# Altium PCB Controller.PcbDoc (part 1 of 2) (continued)
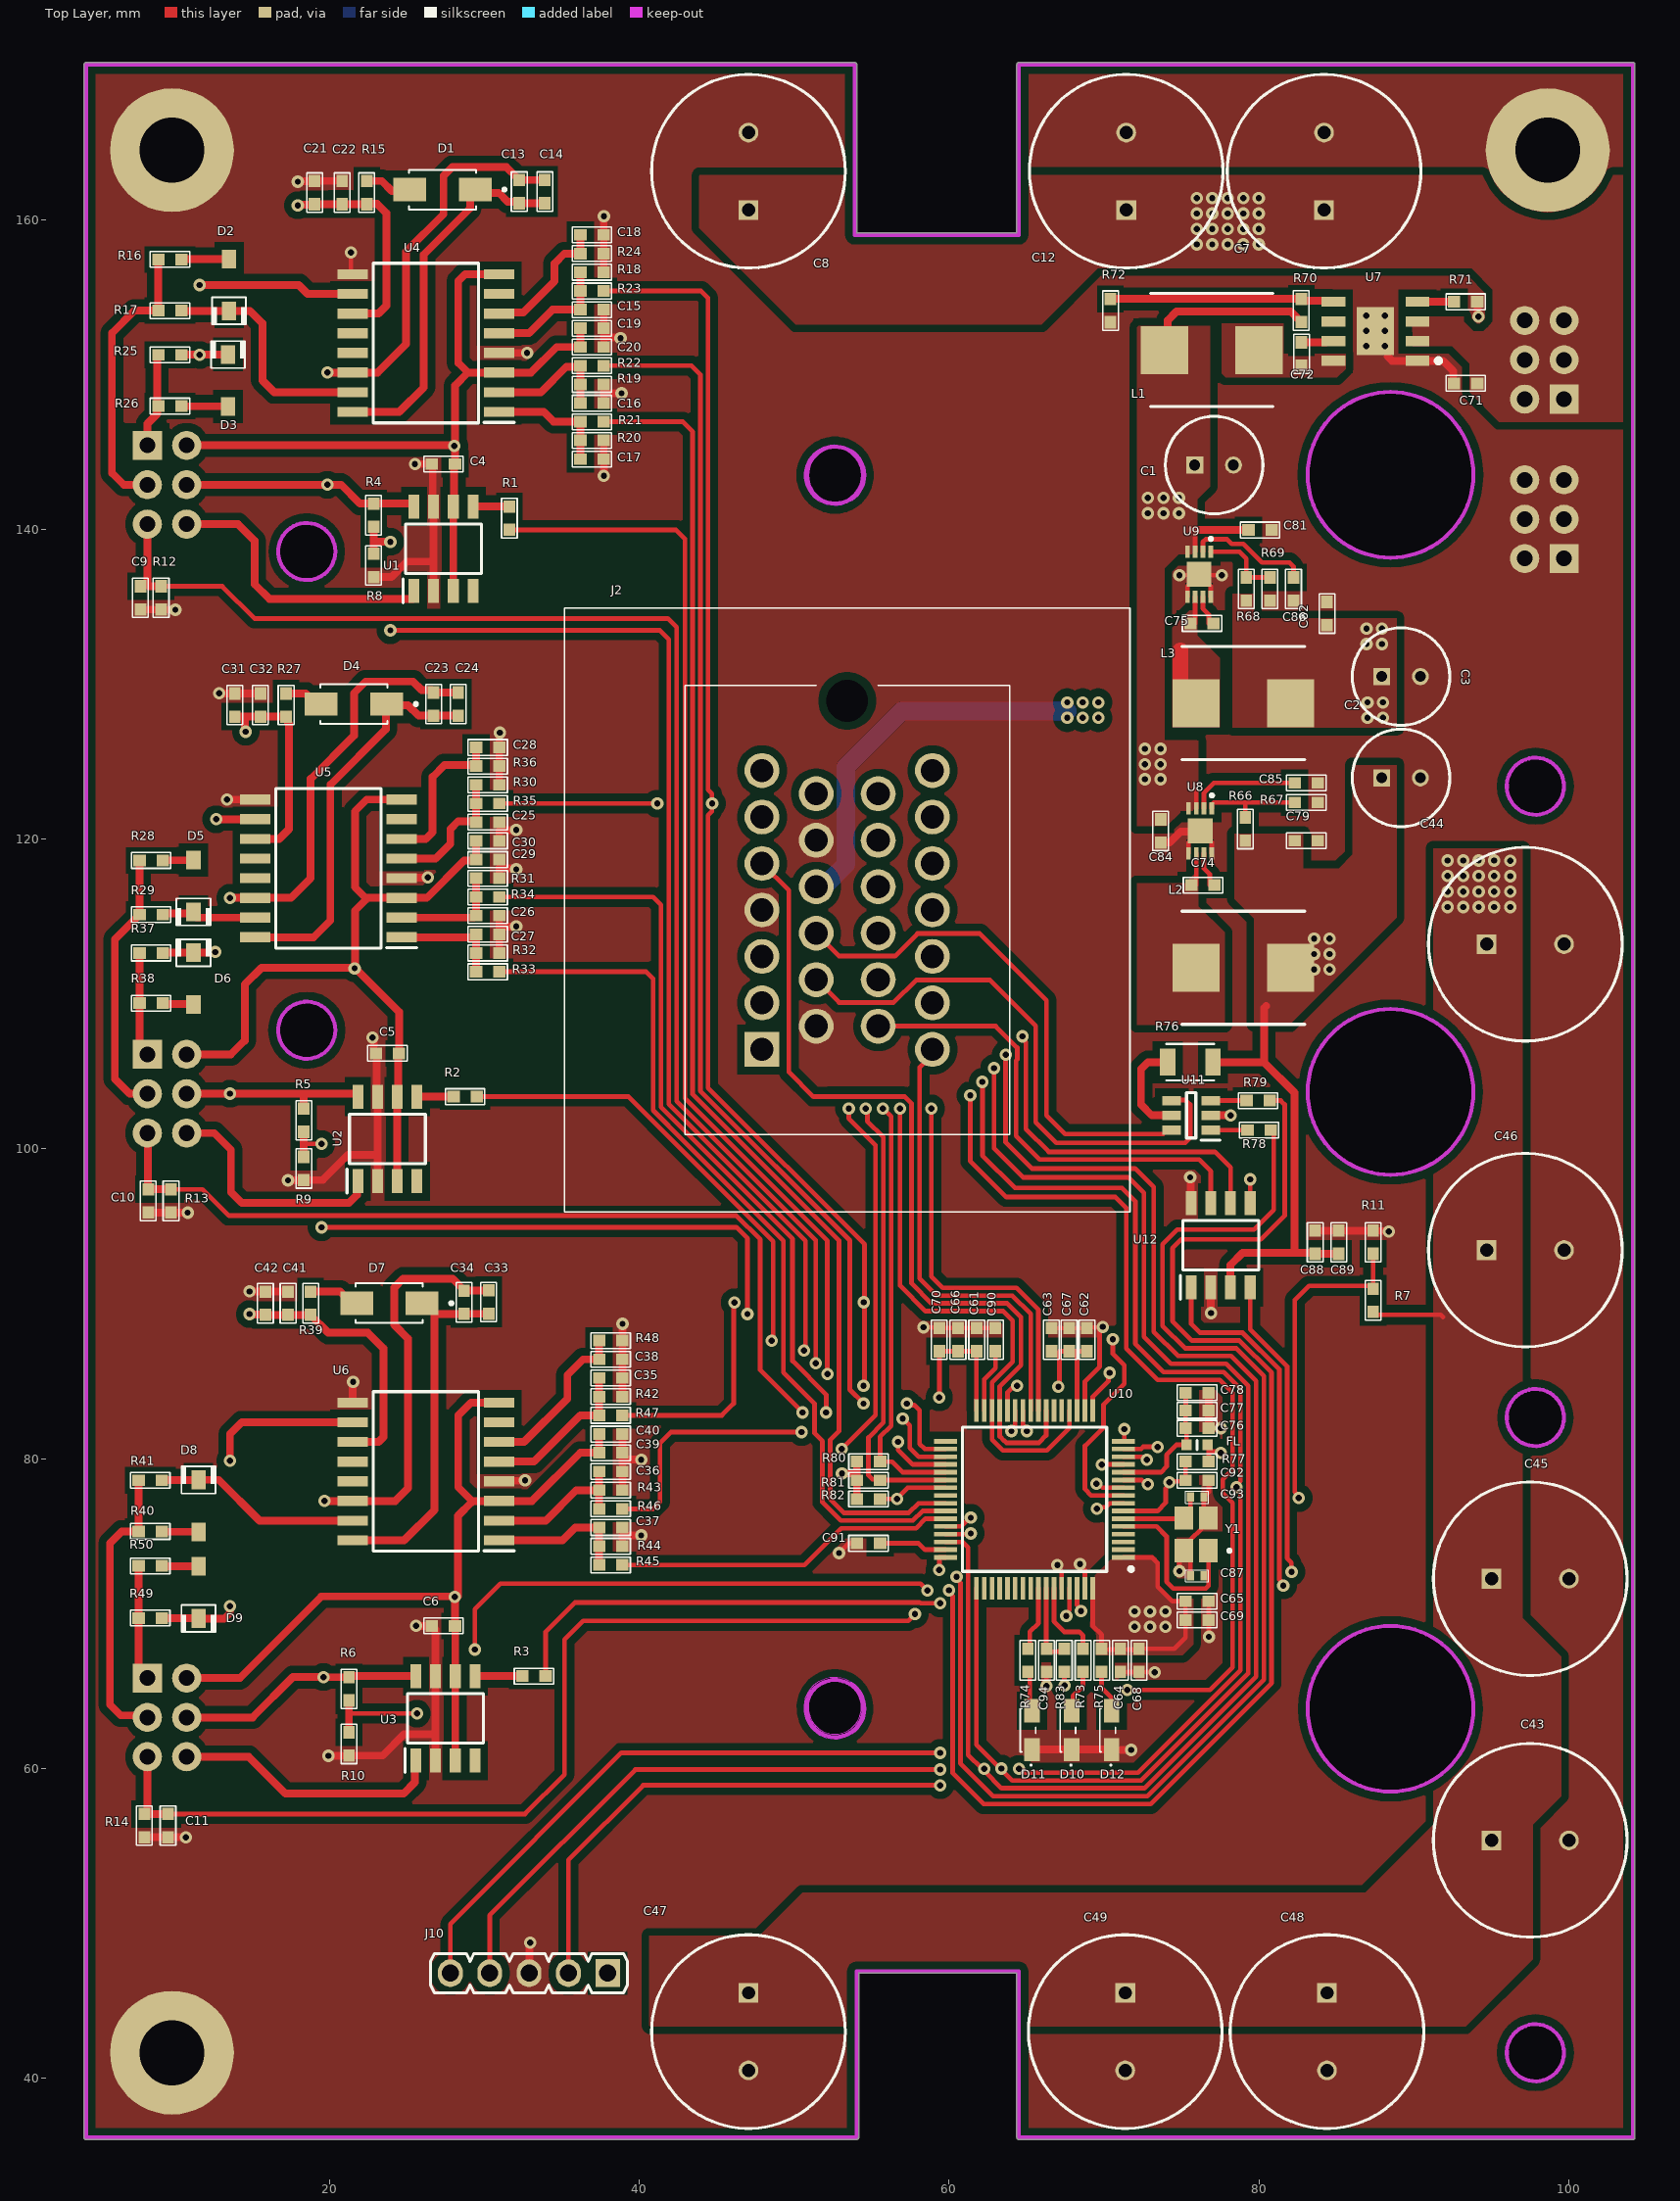
[diagram p0: Top Layer view]
## Classes and differential pairs (continued)

## Components (designator, comment, footprint, x,y, rotation, side; value= is the part's Value field where it differs from the comment)
C1 "100uF 25V" CAPPRD250W50D630H1250 75.859,144.145 r0 top
C2 "100uF 25V" CAPPRD250W50D630H1250 87.924,123.952 r0 top
C3 "100uF 25V" CAPPRD250W50D630H1250 87.924,130.492 r0 top
C4 "2.2uF" C0603 27.368,144.208 r0 top
C5 "2.2uF" C0603 23.749,106.172 r0 top
C6 "2.2uF" C0603 27.368,69.215 r0 top
C7 "220uF 100V" CAPPRD500W65D1250H2200 84.201,160.608 r90 top
C8 "220uF 100V" CAPPRD500W65D1250H2200 47.053,160.608 r90 top
C9 "2.2uF" C0603 7.81,135.572 r90 top
C10 "2.2uF" C0603 8.319,96.647 r90 top
C11 "2.2uF" C0603 9.588,56.325 r90 top
C12 "220uF 100V" CAPPRD500W65D1250H2200 71.438,160.608 r90 top
C13 "100nF" C0603 32.258,161.798 r270 top
C14 "4.7uF" C0603 33.909,161.798 r270 top
C15 "100nF" C0603 36.957,154.178 r0 top
C16 "100nF" C0603 36.957,148.145 r0 top
C17 "100nF" C0603 36.957,144.526 r0 top
C18 "100nF" C0603 36.957,159.004 r180 top
C19 "100nF" C0603 36.957,152.971 r180 top
C20 "2.2uF" C0603 36.957,151.765 r180 top
C21 "4.7uF" C0603 19.05,161.734 r270 top
C22 "100nF" C0603 20.828,161.734 r270 top
C23 "100nF" C0603 26.733,128.714 r270 top
C24 "4.7uF" C0603 28.321,128.714 r270 top
C25 "100nF" C0603 30.226,121.094 r0 top
C26 "100nF" C0603 30.226,115.062 r0 top
C27 "100nF" C0603 30.226,113.855 r0 top
C28 "100nF" C0603 30.226,125.92 r180 top
C29 "100nF" C0603 30.226,118.681 r180 top
C30 "2.2uF" C0603 30.226,119.888 r180 top
C31 "4.7uF" C0603 13.906,128.651 r270 top
C32 "100nF" C0603 15.557,128.651 r270 top
C33 "100nF" C0603 30.29,90.119 r270 top
C34 "4.7uF" C0603 28.702,90.106 r270 top
C35 "100nF" C0603 38.163,85.217 r0 top
C36 "100nF" C0603 38.163,79.184 r0 top
C37 "100nF" C0603 38.163,75.565 r0 top
C38 "100nF" C0603 38.163,86.423 r180 top
C39 "100nF" C0603 38.163,80.391 r180 top
C40 "2.2uF" C0603 38.163,81.597 r180 top
C41 "4.7uF" C0603 17.335,90.043 r270 top
C42 "100nF" C0603 15.875,90.043 r270 top
C43 "220uF 100V" CAPPRD500W65D1250H2200 95.012,55.372 r0 top
C44 "220uF 100V" CAPPRD500W65D1250H2200 94.695,113.22 r0 top
C45 "220uF 100V" CAPPRD500W65D1250H2200 95.012,72.263 r0 top
C46 "220uF 100V" CAPPRD500W65D1250H2200 94.695,93.472 r0 top
C47 "220uF 100V" CAPPRD500W65D1250H2200 47.053,45.529 r270 top
C48 "220uF 100V" CAPPRD500W65D1250H2200 84.391,45.529 r270 top
C49 "220uF 100V" CAPPRD500W65D1250H2200 71.374,45.529 r270 top
C61 "2.2uF" C0603 61.785,87.693 r270 top
C62 "2.2uF" C0603 68.897,87.693 r270 top
C63 "100nF" C0603 66.611,87.693 r270 top
C64 "100nF" C0603 71.056,66.992 r90 top
C65 "100nF" C0603 76.01,70.802 r180 top
C66 "100nF" C0603 60.579,87.693 r270 top
C67 "10nF" C0603 67.754,87.693 r270 top
C68 "10nF" C0603 72.263,66.992 r90 top
C69 "10nF" C0603 76.01,69.596 r180 top
C70 "10nF" C0603 59.372,87.693 r270 top
C71 "2.2uF" C0603 93.345,149.415 r0 top
C72 "2.2nF" C0603 82.751,151.32 r270 top
C74 "100nF" C0603 76.391,117.03 r0 top
C75 "100nF" C0603 76.327,133.921 r0 top
C76 "100nF" C0603 76.01,81.978 r180 top
C77 "10nF" C0603 76.01,83.121 r180 top
C78 "2.2uF" C0603 76.01,84.264 r180 top
C79 "2.2uF" C0603 83.058,119.9 r180 top
C81 "2.2uF" C0603 80.073,139.954 r180 top
C82 "2.2uF" C0603 84.391,134.556 r270 top
C84 "2.2uF" C0603 73.66,120.523 r90 top
C85 "2.2uF" C0603 83.058,123.634 r180 top
C86 "2.2uF" C0603 82.233,136.144 r90 top
C87 "15pF" C0402 76.01,72.453 r0 top
C88 "2.2uF" C0603 83.629,93.98 r270 top
C89 "2.2uF" C0603 85.153,93.98 r270 top
C90 "2.2uF" C0603 62.992,87.693 r270 top
C91 "2.2uF" C0603 54.8,74.549 r0 top
C92 "100nF" C0603 76.01,78.613 r180 top
C93 "15pF" C0402 76.01,77.533 r0 top
C94 "100nF" C0603 66.294,66.992 r90 top
D1 "SS115" DIOM4325X250N 27.305,161.925 r180 top value="1A, 150V"
D2 "B140HW-7" SOD123 13.525,155.765 r90 top
D3 "B140HW-7" SOD123 13.462,149.606 r270 top
D4 "SS115" DIOM4325X250N 21.59,128.714 r180 top value="1A, 150V"
D5 "B140HW-7" SOD123 11.235,116.971 r90 top
D6 "B140HW-7" SOD123 11.235,110.998 r270 top
D7 "SS115" DIOM4325X250N 23.876,90.043 r180 top value="1A, 150V"
D8 "B140HW-7" SOD123 11.557,76.962 r270 top
D9 "B140HW-7" SOD123 11.557,71.374 r90 top
D10 "FKR1113F-TR" VCDG1113F4BY3CTR 68.167,62.484 r0 top value=Red
D11 "VCDG1113F-4BY3C-TR" VCDG1113F4BY3CTR 65.596,62.484 r0 top value=Green
D12 "FKR1113F-TR" VCDG1113F4BY3CTR 70.739,62.484 r0 top value=Yellow
FL "BLM18AG102SN1D" BLM18EG121SH1D 76.01,80.899 r180 top
J2 "6437288-6" 64372886 47.928,106.428 r90 top
J10 "SWD" 61300511021 32.893,46.799 r180 top value=61300511021
J15 "PHASE_U" 61300621121 8.255,145.415 r270 bottom value=61300621121
J16 "PHASE_V" 61300621121 8.255,106.108 r270 bottom value=61300621121
J17 "PHASE_U" 61300621121 8.255,65.849 r270 bottom value=61300621121
J24 "Header 6 Pin_2" 61300621121 99.695,148.399 r90 bottom value=61300621121
J25 "Header 6 Pin_2" 61300621121 99.695,138.112 r90 bottom value=61300621121
L1 "68uH" INDPM7973X540N 76.962,151.574 r180 top
L2 "22uH" INDPM7973X540N 78.994,111.696 r0 top
L3 "22uH" INDPM7973X540N 78.994,128.778 r0 top
R1 "1k" R0603 31.623,140.716 r270 top
R2 "1k" R0603 28.765,103.378 r0 top
R3 "1k" R0603 33.21,65.976 r0 top
R4 "33k" R0603 22.86,140.906 r90 top
R5 "33k" R0603 18.351,101.854 r90 top
R6 "33k" R0603 21.273,65.151 r90 top
R7 "33k" R0603 87.376,90.233 r270 top
R8 "2.2k" R0603 22.86,137.668 r90 top
R9 "2.2k" R0603 18.351,98.742 r90 top
R10 "2.2k" R0603 21.273,61.595 r90 top
R11 "2.2k" R0603 87.376,93.98 r270 top
R12 "10k" R0603 9.144,135.572 r90 top
R13 "10k" R0603 9.779,96.647 r90 top
R14 "10k" R0603 8.064,56.325 r90 top
R15 "2.2R" R0603 22.415,161.734 r90 top
R16 "4.7R" R0603 9.716,157.416 r180 top
R17 "22R" R0603 9.716,154.114 r180 top
R18 "2.2k" R0603 36.957,156.591 r0 top
R19 "2.2k" R0603 36.957,149.352 r0 top
R20 "2.2k" R0603 36.957,145.733 r0 top
R21 "22R" R0603 36.957,146.939 r180 top
R22 "22R" R0603 36.957,150.558 r180 top
R23 "22R" R0603 36.957,155.384 r180 top
R24 "10k" R0603 36.957,157.797 r180 top
R25 "22R" R0603 9.716,151.257 r0 top
R26 "4.7R" R0603 9.716,147.955 r0 top
R27 "2.2R" R0603 17.209,128.651 r90 top
R28 "4.7R" R0603 8.505,118.622 r180 top
R29 "22R" R0603 8.505,115.13 r180 top
R30 "2.2k" R0603 30.226,123.507 r0 top
R31 "2.2k" R0603 30.226,117.475 r0 top
R32 "2.2k" R0603 30.226,112.649 r0 top
R33 "22R" R0603 30.226,111.442 r180 top
R34 "22R" R0603 30.226,116.268 r180 top
R35 "22R" R0603 30.226,122.301 r180 top
R36 "10k" R0603 30.226,124.714 r180 top
R37 "22R" R0603 8.505,112.649 r0 top
R38 "4.7R" R0603 8.505,109.41 r0 top
R39 "2.2R" R0603 18.796,90.043 r90 top
R40 "4.7R" R0603 8.446,75.311 r180 top
R41 "22R" R0603 8.446,78.613 r180 top
R42 "2.2k" R0603 38.163,84.01 r0 top
R43 "2.2k" R0603 38.163,77.978 r0 top
R44 "2.2k" R0603 38.163,74.358 r0 top
R45 "22R" R0603 38.163,73.152 r180 top
R46 "22R" R0603 38.163,76.771 r180 top
R47 "22R" R0603 38.163,82.804 r180 top
R48 "10k" R0603 38.163,87.63 r180 top
R49 "22R" R0603 8.445,69.723 r0 top
R50 "4.7R" R0603 8.445,73.088 r0 top
R66 "52.3k" R0603 79.121,120.65 r90 top
R67 "10k" R0603 83.058,122.364 r0 top
R68 "33k" R0603 79.184,136.144 r90 top
R69 "10k" R0603 80.709,136.144 r270 top
R70 "448k" R0603 82.735,154.12 r270 top
R71 "100k" R0603 93.345,154.686 r180 top
R72 "49.9k" R0603 70.421,154.114 r90 top
R73 "2.2k" R0603 68.644,66.992 r90 top
R74 "2.2k" R0603 65.087,66.992 r90 top
R75 "2.2k" R0603 69.85,66.992 r90 top
R76 "0R" R1206 75.565,105.6 r0 top
R77 "2.2k" R0603 76.01,79.819 r0 top
R78 "22R" R0603 80.01,101.219 r180 top
R79 "22R" R0603 79.947,103.124 r180 top
R80 "2.2k" R0603 54.801,79.819 r180 top
R81 "2.2k" R0603 54.801,78.613 r180 top
R82 "2.2k" R0603 54.801,77.406 r180 top
R83 "100" R0603 67.437,66.992 r90 top
U1 "INA240A2QDRQ1" SOIC127P600X175-8N 27.368,138.747 r90 top
U2 "INA240A2QDRQ1" SOIC127P600X175-8N 23.749,100.647 r90 top
U3 "INA240A2QDRQ1" SOIC127P600X175-8N 27.495,63.246 r90 top
U4 "UCC21520ADW" SOIC127P1030X265-16N 26.226,152.019 r180 top
U5 "UCC21520ADW" SOIC127P1030X265-16N 19.939,118.11 r180 top
U6 "UCC21520ADW" SOIC127P1030X265-16N 26.226,79.184 r180 top
U7 "LM5164DDAR" SOIC-8(EPAD) 87.521,152.781 r180 top value=1.7mm
U8 "MCP16311T-E_MNY" MSOP-8 76.204,120.534 r270 top value=MCP16311T-E/MNY
U9 "MCP16311T-E_MNY" MSOP-8 76.136,137.096 r270 top value=MCP16311T-E/MNY
U10 "STM32F405RGT6TR" QFP50P1200X1200X160-64N 65.52,77.384 r180 top
U11 "USBLC6-2SC6Y" SOT95P280X145-6N 75.629,102.171 r180 top
U12 "TJA1051T_3_CM_118" SOIC127P600X175-8N 77.534,93.789 r90 top value=TJA1051T/3/CM,118
Y1 "FL0800026Q" XTAL_FL0800026Q 75.946,75.12 r180 top value=8MHz

## Footprints (in the part's own frame and the unit in brackets; to place one, negate y for a bottom-side part, rotate by r counter-clockwise, add the part's x,y. Pads: shape width x height; smd on the part's side, far side on the other; paste and mask are expansions set on the pad)
64372886 [mm]
  rect 2.25x2.25 hole 1.5: 1(0,0)
  round 2.25 hole 1.5: 2(3,0) 3(6,0) 4(9,0) 5(12,0) 6(15,0) 7(18,0) 8(1.5,-3.5) 9(4.5,-3.5) 10(7.5,-3.5) 11(10.5,-3.5) 12(13.5,-3.5) 13(16.5,-3.5) 14(1.5,-7.5) 15(4.5,-7.5) 16(7.5,-7.5) 17(10.5,-7.5) 18(13.5,-7.5) 19(16.5,-7.5) 20(0,-11) 21(3,-11) 22(6,-11) 23(9,-11) 24(12,-11) 25(15,-11) 26(18,-11)
  round 1.35 hole 2.7 unplated: 27(22.5,-5.5)
  silkscreen extent -10.5,-23.75 28.5,12.75, body extent -10.5,-22.59 28.5,13.91, height 24.6
61300511021 [mm] "Pin Header, pitch 2.54 mm, THT, Vertical, single row, 5p"
  rect 1.6x1.8 hole 1.1: 1(-5.08,0)
  oval 1.6x1.8 hole 1.1: 2(-2.54,0) 3(0,0) 4(2.54,0) 5(5.08,0)
  silkscreen extent -6.35,-1.27 6.35,1.27, body extent -6.35,-0.42 6.35,9.94, height 2.55
61300621121 [mil]
  rect 74x74 hole 40: 1(0,0)
  round 74 hole 40: 2(100,0) 3(200,0) 4(0,-100) 5(100,-100) 6(200,-100)
  silkscreen extent -50,-150 250,50, body extent -50,-150 250,50, height 350
BLM18EG121SH1D [mm]
  rect 0.65x0.7 smd: 1(-0.675,0) 2(0.675,0)
  silkscreen extent 0,-0.3 0,0.3, body extent -0.8,-0.41 0.8,0.39, height 0.81
C0402 [mm]
  rect 0.45x0.6 smd: 1(-0.432,0) 2(0.432,0)
  silkscreen extent -0.73,-0.4 0.73,0.39, body extent -0.49,-0.27 0.51,0.28, height 0.5
C0603 [mm] "CAPACITOR SMD 0603"
  rect 0.8x0.75 smd: 1(-0.75,0) 2(0.75,0)
  silkscreen extent -1.27,-0.51 1.27,0.51, body extent -1,-0.39 1,0.39, height 0.79
CAPPRD250W50D630H1250 [mm]
  rect 1.1x1.1 hole 0.7: 1(0,0)
  round 1.1 hole 0.7: 2(2.5,0)
  silkscreen extent -1.9,-3.15 4.4,3.15, body extent -1.88,-3.15 4.42,3.15, height 12.5
CAPPRD500W65D1250H2200 [mm]
  rect 1.275x1.275 hole 0.85: 1(0,0)
  round 1.275 hole 0.85: 2(5,0)
  silkscreen extent -3.75,-6.25 8.75,6.25, body extent -3.71,-6.25 8.79,6.25, height 20
DIOM4325X250N [mm]
  rect 2.12x1.5 smd: A(2.115,0) C(-2.115,0)
  silkscreen extent -4.1,-1.28 2.16,1.28, body extent -2.57,-1.28 2.57,1.28, height 2.5
INDPM7973X540N [mm]
  rect 3.05x3.1 smd: 1(-3.05,0) 2(3.05,0)
  silkscreen extent -3.95,-3.65 3.95,3.65, body extent -3.95,-3.65 3.95,3.65, height 5.4
MSOP-8 [mm]
  rect 0.8x0.3 smd: 1(-1.45,0.75) 2(-1.45,0.25) 3(-1.45,-0.25) 4(-1.45,-0.75) 5(1.45,-0.75) 6(1.45,-0.25) 7(1.45,0.25) 8(1.45,0.75)
  rect 1.6x1.6 smd: 9(0,0)
  silkscreen extent -2.39,0.66 -2.19,0.86, body extent -1.55,-1 1.55,1, height 0.8
QFP50P1200X1200X160-64N [mm]
  rect 1.475x0.3 smd: 1(-5.738,3.75) 2(-5.738,3.25) 3(-5.738,2.75) 4(-5.738,2.25) 5(-5.738,1.75) 6(-5.738,1.25) 7(-5.738,0.75) 8(-5.738,0.25) 9(-5.738,-0.25) 10(-5.738,-0.75) 11(-5.738,-1.25) 12(-5.738,-1.75) 13(-5.738,-2.25) 14(-5.738,-2.75) 15(-5.738,-3.25) 16(-5.738,-3.75) 33(5.738,-3.75) 34(5.738,-3.25) 35(5.738,-2.75) 36(5.738,-2.25) 37(5.738,-1.75) 38(5.738,-1.25) 39(5.738,-0.75) 40(5.738,-0.25) 41(5.738,0.25) 42(5.738,0.75) 43(5.738,1.25) 44(5.738,1.75) 45(5.738,2.25) 46(5.738,2.75) 47(5.738,3.25) 48(5.738,3.75)
  rect 0.3x1.475 smd: 17(-3.75,-5.738) 18(-3.25,-5.738) 19(-2.75,-5.738) 20(-2.25,-5.738) 21(-1.75,-5.738) 22(-1.25,-5.738) 23(-0.75,-5.738) 24(-0.25,-5.738) 25(0.25,-5.738) 26(0.75,-5.738) 27(1.25,-5.738) 28(1.75,-5.738) 29(2.25,-5.738) 30(2.75,-5.738) 31(3.25,-5.738) 32(3.75,-5.738) 49(3.75,5.738) 50(3.25,5.738) 51(2.75,5.738) 52(2.25,5.738) 53(1.75,5.738) 54(1.25,5.738) 55(0.75,5.738) 56(0.25,5.738) 57(-0.25,5.738) 58(-0.75,5.738) 59(-1.25,5.738) 60(-1.75,5.738) 61(-2.25,5.738) 62(-2.75,5.738) 63(-3.25,5.738) 64(-3.75,5.738)
  silkscreen extent -6.35,-4.65 4.65,4.65, body extent -6,-6 6,6, height 1.6
R0603 [mm] "RESISTOR SMD 0603"
  rect 0.8x0.75 smd: 1(-0.75,0) 2(0.75,0)
  silkscreen extent -1.27,-0.51 1.27,0.51, body extent -1,-0.39 1,0.39, height 0.79
R1206 [mm]
  rect 1.02x1.73 smd: 1(-1.455,0)
  rect 0.97x1.73 smd: 2(1.48,0)
  silkscreen extent -1.55,-1.18 1.55,1.18, body extent -1.6,-0.8 1.6,0.8, height 0.7
SOD123 [mm]
  rect 1.21x0.93 smd: A(1.68,0) C(-1.68,0)
  silkscreen extent -2.54,-1.1 -0.8,1.1, body extent -1.85,-0.8 1.85,0.8, height 1.27
SOIC127P600X175-8N [mm]
  rect 1.55x0.7 smd: 1(-2.725,1.905) 2(-2.725,0.635) 3(-2.725,-0.635) 4(-2.725,-1.905) 5(2.725,-1.905) 6(2.725,-0.635) 7(2.725,0.635) 8(2.725,1.905)
  silkscreen extent -3.5,-2.45 1.6,2.61, body extent -3,-2.45 3,2.45, height 1.75
SOIC127P1030X265-16N [mm]
  rect 1.95x0.65 smd: 1(-4.725,4.445) 2(-4.725,3.175) 3(-4.725,1.905) 4(-4.725,0.635) 5(-4.725,-0.635) 6(-4.725,-1.905) 7(-4.725,-3.175) 8(-4.725,-4.445) 9(4.725,-4.445) 10(4.725,-3.175) 11(4.725,-1.905) 12(4.725,-0.635) 13(4.725,0.635) 14(4.725,1.905) 15(4.725,3.175) 16(4.725,4.445)
  silkscreen extent -5.7,-5.15 3.4,5.15, body extent -5.17,-5.15 5.17,5.15, height 2.59
SOIC-8(EPAD) [mm]
  rect 1.525x0.65 smd: 1(-2.712,1.905) 2(-2.712,0.635) 3(-2.712,-0.635) 4(-2.712,-1.905) 5(2.712,-1.905) 6(2.712,-0.635) 7(2.712,0.635) 8(2.712,1.905)
  rect 2.4x3.1 smd: 9(0,0)
  silkscreen extent -4.21,1.76 -3.91,2.05, body extent -3,-2.45 3,2.45, height 1.57
SOT95P280X145-6N [mm]
  rect 1.2x0.6 smd: 1(-1.25,0.95) 2(-1.25,0) 3(-1.25,-0.95) 4(1.25,-0.95) 5(1.25,0) 6(1.25,0.95)
  silkscreen extent -1.85,-1.46 0.3,1.6, body extent -1.4,-1.46 1.4,1.46, height 1.45
VCDG1113F4BY3CTR [mm]
  rect 1x1.5 smd: 1(-0.25,-1.25) 2(-0.25,1.25)
  silkscreen extent -1,-2.3 0,1.4, body extent -0.6,-1.05 0,1.05, height 0.95
XTAL_FL0800026Q [mm]
  rect 1.2x1.5 smd: 1(-0.8,1.05) 2(-0.8,-1.05) 3(0.8,-1.05) 4(0.8,1.05)
  silkscreen extent -2.25,0.95 -2.05,1.15, body extent -1.25,-1.6 1.25,1.6, height 0.78

## Part data
C1 C2 C3: library part "100uF ± 10% 25V", "100uF ± 10% 25V", Manufacturer=Kemet, Manufacturer Part Number=ESK107M025AE3AA, Supplier Part Number=80-ESK107M025AE3AA, Price=0.25, Supplier=mouser
C4 C5 C6 C9 C10 C11 C20 C30 C40 C61 C62 C71 C78 C79 C81 C82 C84 C85 C86 C88 C89 C90 C91: library part "2.2uF ± 10% 50V", "2.2uF ± 10% 50V", Manufacturer=Yageo, Manufacturer Part Number=GRM188R61H225ME11J, Supplier Part Number=81-GRM188R61H225ME1J, Price=0.3, Supplier=mouser
C7 C8 C12 C43 C44 C45 C46 C47 C48 C49: "Aluminum Electrolytic Capacitors - Radial Leaded Al Lytic Cap 85C Radial M Series", Manufacturer=Panasonic, Manufacturer Part Number=ECA-2AM221B, Supplier Part Number=667-ECA-2AM221B, Price=1, Suplier=Mouser
C13 C15 C16 C17 C18 C19 C22 C23 C25 C26 C27 C28 C29 C32 C33 C35 C36 C37 C38 C39 C42 C63 C64 C65 C66 C74 C75 C76 C92 C94: library part "100nF ± 10% 50V", "100nF ± 10% 50V", Manufacturer=Yageo, Manufacturer Part Number=CS0603KRX7R9BB104, Supplier Part Number=603-CS0603KRX79BB104, Price=0.1, Supplier=mouser
C14 C21 C24 C31 C34 C41: library part "4.7uF ± 10% 50V", "4.7uF ± 10% 50V", Manufacturer=Yageo, Manufacturer Part Number=GRM188R61H225ME11J, Supplier Part Number=81-GRM188R61H225ME1J, Price=0.3, Supplier=mouser
C67 C68 C69 C70 C77: library part "10nF ± 10% 50V", "10nF ± 10% 50V", Manufacturer=Yageo, Manufacturer Part Number=CS0603KRX79BB103, Supplier Part Number=603-CS0603KRX79BB103, Price=0.1, Supplier=mouser
C72: library part "2.2nF ± 10% 50V", "2.2nF ± 10% 50V", Manufacturer=Yageo, Manufacturer Part Number=CS0603KRX79BB222, Supplier Part Number=603-CS0603KRX79BB222, Price=0.1, Supplier=mouser
C87 C93: library part "15pF ± 10% 50V", "15pF ± 10% 50V", Manufacturer=Yageo, Manufacturer Part Number=CS0603KRX79BB150, Supplier Part Number=603-CS0603KRX79BB150, Price=0.1, Supplier=mouser
D1 D4 D7: "Schottky Diodes & Rectifiers 1A, 150V, Schottky Rectifier", Manufacturer="Taiwan Semiconductor", Supplier Part Number=821-SS115, Manufacturer Part Number=SS115, Price=0.34, Supplier=Mouser
D2 D3 D5 D6 D8 D9: "Schottky Diodes & Rectifiers 1A, 40V", Manufacturer=Diodes, Supplier Part Number=621-B140HW-7, Manufacturer Part Number=B140HW-7, Price=0.42, Supplier=Mouser
D10: library part LED_RED, "R/A LED", Manufacturer="Stanley Electric", Supplier Part Number=327-FKR1113FTR, Manufacturer Part Number=FKR1113F-TR, Price=0.78, Supplier=Mouser
D11: library part LED_GREEN, "R/A LED", Manufacturer="Stanley Electric", Supplier Part Number=327-VCDG1113F4BY3CTR, Manufacturer Part Number=VCDG1113F-4BY3C-TR, Price=0.78, Supplier=Mouser
D12: library part LED_YELLOW, "R/A LED", Manufacturer="Stanley Electric", Manufacturer Part Number=FKY1113F-TR, Supplier Part Number=327-FKY1113FTR, Price=0.78, Supplier=Mouser
FL: "Ferrite Beads 1000 OHM 25% Alternate Sizing Guide Below", Manufacturer=Murata, Supplier Part Number=81-BLM11A102S, Manufacturer Part Number=BLM18AG102SN1D, Price=0.15, Supplier=Mouser
J2: "Header vert 26 way 4 row Tab Superseal", Manufacturer="TE Connectivity", Supplier Part Number=571-6437288-6, Manufacturer Part Number=6437288-6, Price=2, Supplier=Mouser, Vlaue=6437288-6
J10: library part "Header 5 Pin_1", "Headers & Wire Housings WR-PHD 2.54mm Hdr 5P Single RA Gold", Manufacturer="Wurth Electronic", Manufacturer Part Number=61300511021, Supplier Part Number=710-61300511021, Price=0.44, Supplier=Mouser
J15 J16 J17: library part "Header 6 Pin_2", "WR-PHD 2.54mm  Dual Pin Header THT 06p Wurth Elektronik WR-PHD Series, Series Number 6130, 2.54mm Pitch 6 Way 2 Row Straight PCB Header, Solder Termination", Manufacturer="Wurth Elektronik", Manufacturer Part Number=61300621121, Supplier Part Number=710-61300621121, Price=0.57, Supplier=Mouser
J24 J25: "WR-PHD 2.54mm  Dual Pin Header THT 06p Wurth Elektronik WR-PHD Series, Series Number 6130, 2.54mm Pitch 6 Way 2 Row Straight PCB Header, Solder Termination", Manufacturer="Wurth Elektronik", Manufacturer Part Number=61300621121, Supplier Part Number=710-61300621121, Price=0.57, Supplier=Mouser
L1: library part SRP7050WA-680M, "Ind,7.9x7.3x5.2mm,68uH+/-20%,2.7A,shd", Manufacturer=Bourns, Supplier Part Number=652-SRP7050WA-680M, Geometry.Height=5.4mm, Manufacturer Part Number=SRP7050WA-680M, Price=1.46, Supplier=Mouser
L2 L3: library part SRP7050WA-220M, "Ind,7.9x7.3x5.2mm,22uH+/-20%,5A,shd", Manufacturer=Bourns, Supplier Part Number=652-SRP7050WA-220M, Manufacturer Part Number=SRP7050WA-220M, Price=1.46, Supplier=Mouser
R1 R2 R3: library part "1 kOhms ±1% 0.1W", "1 kOhms ±1% 0.1W", Manufacturer=Yageo, Manufacturer Part Number=RC0603FR-071KL, Supplier Part Number=603-RC0603FR-071KL, Price=0.1, Supplier=Mouser
R4 R5 R6 R7 R68: library part "33 kOhms ±1% 0.1W", "33 kOhms ±1% 0.1W", Manufacturer=Yageo, Manufacturer Part Number=RC0603FR-0733KL, Supplier Part Number=603-RC0603FR-0733KL, Price=0.1, Supplier=mouser
R8 R9 R10 R11 R18 R19 R20 R30 R31 R32 R42 R43 R44 R73 R74 R75 R77 R80 R81 R82: library part "2.2 kOhms ±1% 0.1W", "2.2 kOhms ±1% 0.1W", Manufacturer=Yageo, Manufacturer Part Number=RC0603FR-072K2L, Supplier Part Number=603-RC0603FR-072K2L, Price=0.1, Supplier=Mouser
R12 R13 R14 R24 R36 R48 R67 R69: library part "10 kOhms ±1% 0.1W", "10 kOhms ±1% 0.1W", Manufacturer=Yageo, Manufacturer Part Number=RC0603FR-0710KL, Supplier Part Number=603-RC0603FR-0710KL, Price=0.1, Supplier=mouser
R15 R27 R39: library part "2.2ohm 0.1W ±1%", "2.2 ohm 0.1W ±1%", Manufacturer=Yageo, Manufacturer Part Number=RC0603FR-072R2L, Supplier Part Number=603-RC0603FR-072R2L, Price=0.1, Supplier=Mouser
R16 R26 R28 R38 R40 R50: library part "4.7ohm 0.1W ±10%", "4.7 ohm 0.1W ±1%", Manufacturer=Yageo, Manufacturer Part Number=RC1206FR-074R7L, Supplier Part Number=603-RC1206FR-074R7L, Price=0.12, Supplier=Mouser
R17 R21 R22 R23 R25 R29 R33 R34 R35 R37 R41 R45 R46 R47 R49 R78 R79: library part "22ohm 0.1W ±1%", "22 ohm 0.1W ±1%", Manufacturer=Yageo, Manufacturer Part Number=RC0603FR-0722RL, Supplier Part Number=603-RC0603FR-0722RL, Price=0.1, Supplier=Mouser
R66: library part "52.3 kOhms ±1% 0.1W", "52.3 kOhms ±1% 0.1W", Manufacturer=Yageo, Manufacturer Part Number=RC0603FR-0752K3L, Supplier Part Number=603-RC0603FR-0752K3L, Price=0.1, Supplier=mouser
R70: library part "448 kOhms ±1% 0.1W", "448 kOhms ±1% 0.1W", Manufacturer=Yageo, Manufacturer Part Number=RC0603FR-07448KL, Supplier Part Number=603-RC0603FR-07448KL, Price=0.1, Supplier=mouser
R71: library part "100 kOhms ±1% 0.1W", "100 kOhms ±1% 0.1W", Manufacturer=Yageo, Manufacturer Part Number=RC0603FR-07100KL, Supplier Part Number=603-RC0603FR-07100KL, Price=0.1, Supplier=mouser
R72: library part "49.9 kOhms ±1% 0.1W", "49.9 kOhms ±1% 0.1W", Manufacturer=Yageo, Manufacturer Part Number=RC0603FR-0749K9L, Supplier Part Number=603-RC0603FR-0749K9L, Price=0.1, Supplier=mouser
R76: library part "0ohm 0.25W ±1%", "0 ohm 0.25W ±1%", Manufacturer=Yageo, Manufacturer Part Number=RC1206FR-070RL, Supplier Part Number=603-RC1206FR-070RL
R83: library part "100 Ohms ±1% 0.1W", "100 Ohms ±1% 0.1W", Manufacturer=Yageo, Manufacturer Part Number=RC0603FR-0710KL, Supplier Part Number=603-RC0603FR-0710KL, Price=0.1, Supplier=mouser
U1 U2 U3: "Automotive, High/Low Side, Bi-Directional Zer-Drift Current Sense Amp w/ Enhanced PWM Rejection", Manufacturer="Texas Instruments", Supplier Part Number=595-INA240A2QDRQ1, Manufacturer Part Number=INA240A2QDRQ1, Price=3.8, Supplier=Mouser
U4 U5 U6: "4A/6A, 5.7 kVrms Isolated Dual Channel Gate Driver", Manufacturer="Texas Instruments", Supplier Part Number=595-UCC21520ADW, Manufacturer Part Number=UCC21520ADW, Price=7.6, Supplier=Mouser
U7: "Texas Instruments 6-V to 100-V Input, 1-A Synchronous Buck DC-DC Converter With Ultra-Low IQ 8-SO PowerPAD -40 to 150", Manufacturer="Texas Instruments", Supplier Part Number=595-LM5164DDAR, Manufacturer Part Number=LM5164DDAR, Price=3.5, Supplier=Mouser
U8 U9: "Microchip, MCP16311T-E/MNY Step Down DC-DC Converter 1A Adjustable, 2  24 V 8-Pin, TDFN", Manufacturer=Microchip, Manufacturer Part Number=MCP16311T-E/MNY, Supplier Part Number=579-MCP16311T-E/MNY, Price=1.8, Supplier=Mouser
U10: "STM32F405RGT6TR, 32 bit ARM Cortex M4 MCU 168MHz 1024 kB Flash, 192 kB RAM, 2xUSB CAN I2C 64-Pin LQFP", Manufacturer_Name=STMicroelectronics, Mouser Part Number=511-STM32F405RGT6TR, Datasheet Link=http://www.st.com/web/en/resource/technical/document/datasheet/DM00037051.pdf, Geometry.Height=1.6mm, Manufacturer_Part_Number=STM32F405RGT6TR, Mouser Price/Stock=https://www.mouser.co.uk/ProductDetail/STMicroelectronics/STM32F405RGT6TR?qs=MavH1QghrkHshpR6GkvPIg%3D%3D
U11: "Low Cap. ESD Protection Auto SOT-23-6 STMicroelectronics USBLC6-2SC6Y, Dual Uni-Directional TVS Diode Array, 6-Pin SOT-23", Manufacturer=STMicroelectronics, Supplier Part Number=511-USBLC6-2SC6Y, Manufacturer Part Number=USBLC6-2SC6Y, Price=1.45, Supplier=Mouser
U12: "CAN Interface IC BL Advanced Automotive Analog", Manufacturer="NXP Semiconductors", Manufacturer Part Number=TJA1051T/3/CM,118, Supplier Part Number=771-TJA1051T/3CM118, Price=1.6, Supplier=Mouser
Y1: "8 MHz A±30ppm Crystals Crystal Ceramic SEAM3225 T&R 3K", Manufacturer="Diodes Incorporated", Supplier Part Number=621-FL0800026Q, Manufacturer Part Number=FL0800026Q, Price=0.5, Supplier=Mouser

## Free pads (board coordinates)
  round 8 hole 4.2: 3(9.842,41.665) 3(9.842,164.465) 3(98.643,164.465)

## Via types
v1: diameter 0.8, hole 0.4, Top Layer to Bottom Layer, tented both sides, 224 vias

## Nets (pads, with @x,y where several pads share a name; then routed paths per layer and width w, separated by ;. In a path a pad name is that pad's centre, name@x,y a point inside that pad or via, vN(x,y) a via of type N, cw(c..) or ccw(c..) an arc to the next point about the centre after c; other vN are vias at no path point)
+3V3: C3.1 C4.2 C5.2 C6.2 C19.2 C20.2 C29.2 C30.2 C39.2 C40.2 C61.2 C62.2 C63.2 C64.2 C65.2 C66.2 C67.2 C68.2 C69.2 C70.2 C82.2 FL.1 J2.11 J10.1 J15.4 J16.4 J17.4 L3.2 R68.1 R75.2 R77.2 R80.2 R81.2 R82.2 U1.3 U1.6 U2.3 U2.6 U3.3 U3.6 U4.3 U4.8 U5.3 U5.8 U6.3 U6.8 U10.1 U10.19 U10.32 U10.48 U10.64 U12.5 | length 573.3
  Top Layer w0.3: v1(59.372,72.834) 59.372,73.634 U10.48@59.782,73.634 ; v1@59.372,84.01 C70.2@59.372,86.943 C66.2@60.579,86.943 C61.2@61.785,86.943 ; U10.32@61.77,83.121 C61.2@61.77,86.928 ; v1(67.056,84.645) 67.12,84.709 67.12,86.943 C67.2@67.754,86.943 68.263,86.943 ; U10.19@68.27,83.121 68.27,86.936 68.263,86.943 ; C62.2@68.644,86.943 68.263,86.943 ; C62.2@68.707,86.753 C62.2@68.897,86.943 ; U10.64@69.27,71.646 69.27,69.223 69.85,68.643 69.85,67.806 69.966,67.69 71.879,67.69 C68.2@71.954,67.615 ; U10.1@71.258,73.634 73.115,73.634 73.469,73.279 73.469,71.755 74.422,70.802 C65.2@75.259,70.802 C69.2@75.259,69.596 75.259,68.465 74.537,67.743 C68.2@72.263,67.743 ; FL.1@76.684,80.899 76.76,80.824 R77.2@76.76,79.819 ; FL.1@76.785,80.724 76.834,80.724 76.86,80.699 76.86,80.483 77.454,80.483 v1(77.545,80.391) ; U12.5@79.438,96.515 v1(79.438,98.044)
  Top Layer w0.5: J17.4@10.795,65.849 14.224,65.849 19.494,71.12 v1@28.119,71.12 ; J16.4@10.795,106.108 13.652,106.108 14.541,106.997 14.541,110.617 15.621,111.696 v1@21.653,111.696 ; J15.4@10.795,145.415 28.086,145.415 v1@28.119,145.382 ; U2.3@24.384,97.922 U2.6@24.384,103.373 24.442,103.43 24.442,106.114 C5.2@24.499,106.172 24.499,108.851 v1@21.653,111.696 ; U5.8@24.664,122.555 22.415,122.555 21.653,121.793 21.653,116.903 22.352,116.205 ; U1.3@28.003,136.022 U1.6@28.003,141.473 28.061,141.53 28.061,144.151 C4.2@28.119,144.208 v1@28.119,145.382 ; C6.2@28.119,69.215 v1@28.119,71.12 ; U3.3@28.13,60.521 U3.6@28.13,65.971 28.13,69.062 C6.2@28.284,69.215 ; C29.2@29.326,118.665 29.326,118.619 28.703,118.619 26.289,116.205 U5.3@24.664,116.205 22.352,116.205 ; C29.2@29.476,118.681 C30.2@29.476,119.888 ; U6.8@30.95,83.629 29.146,83.629 28.321,82.804 28.321,78.168 29.21,77.279 ; U4.8@30.95,156.464 28.765,156.464 28.321,156.019 28.321,150.749 28.956,150.114 ; C19.2@36.207,152.971 C20.2@36.207,151.765 34.671,151.765 33.02,150.114 U4.3@30.95,150.114 28.956,150.114 ; C40.2@37.413,81.597 C39.2@37.413,80.391 36.195,80.391 33.084,77.279 U6.3@30.95,77.279 29.21,77.279 ; v1(53.086,79.057) 53.987,79.057 54.051,79.121 ; R82.2@54.051,77.406 R81.2@54.051,78.613 54.051,79.121 ; R80.2@54.051,79.819 54.051,79.121 ; v1@21.653,111.696 21.653,115.379 22.352,116.078 22.352,116.205 ; v1@28.119,71.12 28.309,71.12 28.309,76.315 29.21,77.216 29.21,77.279 ; v1@28.119,145.382 28.119,149.277 28.956,150.114
  Signal Layer 2 w0.3: v1(77.545,80.391) 78.486,80.391 78.93,80.835 78.93,97.536 v1(79.438,98.044)
  Signal Layer 2 w0.5: 15.724,111.696 15.761,111.659 v1(21.637,111.659) ; 16.51,71.224 16.651,71.083 v1(28.102,71.083) ; v1(59.364,83.961) 59.351,83.947 58.547,83.947 58.166,83.566 58.166,80.264 57.468,79.565 53.594,79.565 v1(53.086,79.057) 53.086,77.851 54.229,76.708 54.229,73.85 55.245,72.834 v1(59.372,72.834) 60.833,74.295 68.961,74.295 69.787,73.469 69.787,72.898 71.501,71.183 71.501,70.709 71.978,70.233 v1(71.978,70.151) ; v1(59.364,83.961) 59.446,83.961 59.777,83.629 65.405,83.629 66.421,84.645 v1(67.056,84.645) 74.583,84.645 75.057,84.171 75.057,81.026 75.692,80.391 v1(77.545,80.391)
  Signal Layer 2 w0.75: 67.627,128.27 64.389,128.27 62.738,129.921 62.738,140.081 55.308,147.51 43.497,147.51 41.365,145.378 v1(28.07,145.378) 19.33,145.378 17.59,143.637 17.59,141.478 15.724,139.612 15.724,111.696 15.724,96.036 16.51,95.25 16.51,71.224 16.51,45.021 17.653,43.878 37.084,43.878 37.973,44.768 J10.1@37.973,46.799 37.973,53.34 39.243,54.61 73.85,54.61 74.93,55.689 74.93,68.072 73.533,69.469 72.517,69.469
  Bottom Layer w1.2: J2.11@51.428,116.928 51.904,116.928 53.353,118.376 53.353,124.663 56.959,128.27 67.627,128.27
  other v1: 71.978,69.151 72.978,69.151 73.977,69.151 72.978,70.151 73.977,70.151 67.627,127.825 68.628,127.825 69.628,127.825 87.011,127.825 88.011,127.825 67.627,128.825 68.628,128.825 69.628,128.825 87.011,128.825 88.011,128.825 86.947,132.588 87.947,132.588 86.947,133.588 87.947,133.588
+5V: C2.1 C79.2 C88.2 C89.2 J2.1 J2.7 J2.19 L2.2 R66.1 R76.2 U12.3 | length 103.5
  Top Layer w0.5: R76.2@77.045,105.6 80.328,105.6 ; U12.3@78.168,91.064 78.168,92.519 78.942,93.293 82.169,93.293 ; 80.454,109.22 80.328,109.093 80.328,105.6 ; C88.2@83.629,93.23 C89.2@85.153,93.23 ; C88.2@83.629,93.293 82.169,93.293 ; 80.328,105.6 82.296,103.632 82.296,93.42 82.169,93.293
  Signal Layer 2 w1: J2.19@55.428,122.928 55.247,123.109 55.247,124.458 54.356,125.349 48.959,125.349 48.037,124.428 J2.7@47.928,124.428 45.813,122.313 45.813,121.845 45.783,121.816 45.783,107.638 46.369,107.053 47.303,107.053 J2.1@47.928,106.428 47.928,103.52 50.927,100.52 62.992,100.52 74.057,111.585 v1(83.566,111.585)
  Bottom Layer w1.5: J2.7@47.928,124.428 J2.7@47.928,124.63
  other v1: 84.566,111.585 83.566,112.585 84.566,112.585 83.566,113.586 84.566,113.586
+12V: C1.1 C21.2 C22.2 C31.2 C32.2 C41.2 C42.2 C81.2 C84.2 J2.24 L1.2 R15.1 R27.1 R39.1 R70.2 U4.11 U5.11 U6.11 U8.3 U8.4 U9.3 U9.4 | length 219.2
  Top Layer w0.3: 75.692,139.954 75.887,139.759 U9.3@75.887,138.546 ; 75.882,123.19 75.954,123.118 U8.3@75.954,121.983
  Top Layer w0.5: C31.2@13.906,127.901 14.53,127.901 ; v1(14.605,126.936) 14.548,126.994 14.548,127.883 14.53,127.901 ; v1(14.859,89.344) 14.885,89.319 15.849,89.319 C42.2@15.875,89.293 C41.2@17.335,89.293 R39.1@18.796,89.293 18.796,89.268 19.926,88.138 22.479,88.138 23.495,87.122 23.495,81.407 23.177,81.089 U6.11@21.501,81.089 ; U5.11@15.214,120.015 16.764,120.015 17.399,120.65 17.399,127.458 17.334,127.524 17.334,127.776 R27.1@17.209,127.901 C32.2@15.557,127.901 14.53,127.901 ; v1(17.97,160.909) 18.008,160.947 19.012,160.947 C21.2@19.05,160.984 C22.2@20.828,160.984 R15.1@22.415,160.984 22.436,161.005 23.082,161.005 23.685,160.401 23.685,154.432 23.177,153.924 U4.11@21.501,153.924 ; L1.2@73.912,151.574 74.105,151.767 74.105,153.479 74.676,154.051 82.054,154.051 82.584,153.521 82.609,153.521 82.735,153.395 R70.2@82.735,153.37 ; 75.692,139.954 C81.2@79.323,139.954
  Signal Layer 2 w0.75: v1(14.859,89.344) 13.906,89.344 13.215,90.036 13.215,94.622 14.605,96.012 14.605,140.589 16.002,141.986 16.002,146.621 ; v1(17.97,160.909) 17.961,160.899 16.881,160.899 16.002,160.02 16.002,146.621 ; 72.072,141.478 63.5,141.478 56.007,148.971 43.053,148.971 40.64,146.558 16.066,146.558 16.002,146.621
  Signal Layer 2 w1.5: J2.24@58.928,118.427 71.628,118.427 73.215,120.015 73.215,125.254
  other v1: 72.644,123.862 73.644,123.862 72.644,124.825 73.644,124.825 72.644,125.825 73.644,125.825 72.834,141.033 73.835,141.033 74.835,141.033 72.834,142.033 73.835,142.033 74.835,142.033
ADC: J2.20 U10.25 | length 29.5
  Top Layer w0.3: J2.20@58.928,106.428 58.928,106.102 58.102,105.277 58.102,91.63 59.198,90.535 64.088,90.535 65.27,89.353 U10.25@65.27,83.121